# Allegro board GPS_INTERFACE_BOARDv36_PH.brd (continued)
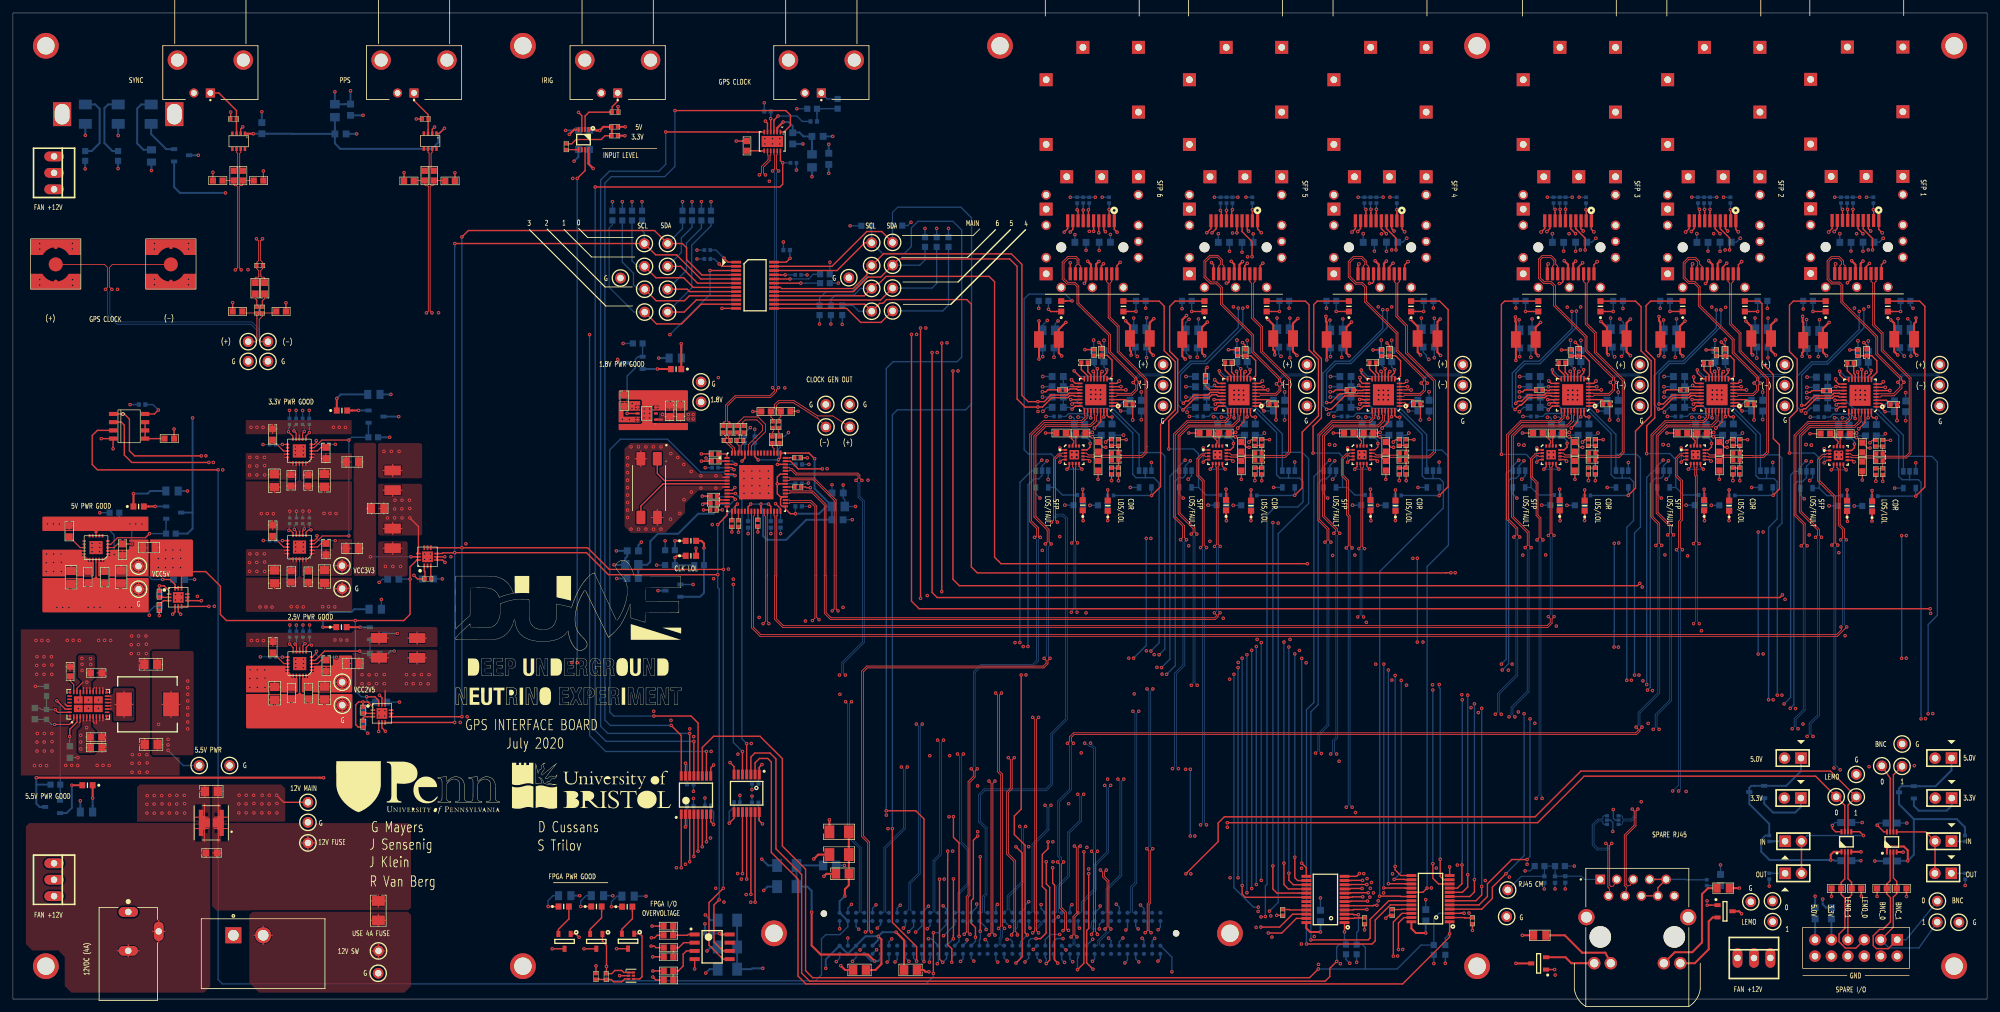
[diagram p0: board, top side]
## Routing (per net, layer and track width the routed paths; a pad name or vN(x,y) marks a point on that pad's centre or on a via; arc(x,y) is an arc through that point) (continued)
SFP_RD_P_SFP INTERFACE_SFP3: length 42
  TOP w0.127: J18.13 238.51,113.27 238.2,113.58 238.2,114.21 237.5,114.91 236.1,114.91 235.56,114.37 235.56,111.35 236.34,110.58 237.44,110.58 237.87,110.15 237.87,107.15 242.75,102.27 242.75,100.18 246.97,95.96 246.97,95.65 v1(246.62,95.3) 246.96,94.96 246.96,94.85 247,94.81 247,94.21 246.4,93.61 244.02,93.61 243.98,93.65 U31.5
  BOTTOM w0.127: v1(246.62,95.3) 246.97,95.65 246.97,96.03 247.53,96.6 251.08,96.6 251.21,96.72 TP52.1
SFP_RD_P_SFP INTERFACE_SFP4: length 43.6
  TOP w0.127: U35.5 214.77,93.65 214.81,93.61 217.27,93.61 217.79,94.13 217.79,94.77 217.75,94.8 217.75,94.87 v1(217.42,95.2) 217.76,95.53 217.76,95.93 213.56,100.13 213.56,102.85 208.71,107.7 208.71,109.98 208.2,110.49 207.25,110.49 206.17,111.57 206.17,113.98 206.94,114.76 208.29,114.76 209.01,114.04 209.01,113.53 209.27,113.27 J19.13
  BOTTOM w0.127: TP53.1 223.85,96.72 223.72,96.6 218.4,96.6 217.76,95.96 217.76,95.53 v1(217.42,95.2)
SFP_RD_P_SFP INTERFACE_SFP5: length 42.3
  TOP w0.127: J20.13 186.97,113.27 186.71,113.53 186.71,114.27 186.04,114.94 184.77,114.94 183.9,114.06 183.9,111.52 184.87,110.54 185.79,110.54 186.44,109.89 186.44,107.35 191.29,102.5 191.29,99.95 195.46,95.78 195.46,95.44 v1(195.09,95.07) 195.49,94.67 195.49,94.13 194.96,93.61 192.51,93.61 192.47,93.65 U39.5
  BOTTOM w0.127: TP54.1 199.77,98.04 199.77,96.72 199.64,96.6 196.1,96.6 195.46,95.96 195.46,95.44 v1(195.09,95.07)
SFP_RD_P_SFP INTERFACE_SFP6: length 41.5
  TOP w0.127: J21.13 164.85,113.27 164.59,113.53 164.59,114.32 164.15,114.76 162.88,114.76 162,113.88 162,111.24 162.75,110.49 163.87,110.49 164.29,110.07 164.29,107.45 169.19,102.55 169.19,99.92 173.2,95.91 173.2,95.52 v1(172.96,95.28) 173.37,94.87 173.37,94.29 172.69,93.61 170.5,93.61 170.46,93.65 U43.5
  BOTTOM w0.127: v1(172.96,95.28) 173.34,95.65 173.34,96.08 173.85,96.6 177.44,96.6 177.57,96.72 TP55.1
SFP_TD_N_SFP INTERFACE_SFP1: length 37.4
  TOP w0.127: J13.19 287.68,110.94 287.42,110.68 287.42,104.26 288.75,102.94 288.75,100.32 293.06,96.01 293.06,84.32 292.36,83.62 289.12,83.62 C141.2 288.69,81.97 R122.2 R126.1
SFP_TD_N_SFP INTERFACE_SFP2: length 37.3
  TOP w0.127: C164.2 267.01,83.68 270.3,83.68 271.07,84.46 271.07,86.3 271.08,86.3 271.08,86.36 271.07,86.36 271.07,95.89 266.8,100.17 266.8,102.92 265.35,104.37 265.35,110.63 265.61,110.89 J14.19
  TOP w0.165: R147.1 R143.2 266.61,82.07 C164.2
SFP_TD_N_SFP INTERFACE_SFP3: length 37.3
  TOP w0.127: C187.2 244.71,83.68 248,83.68 248.76,84.44 248.76,95.7 244.45,100.01 244.45,103 243.05,104.4 243.05,110.63 243.31,110.89 J18.19
  TOP w0.165: R168.1 R164.2 244.31,82.07 C187.2
SFP_TD_N_SFP INTERFACE_SFP4: length 37.4
  TOP w0.127: C210.2 215.46,83.64 218.75,83.64 219.63,84.53 219.63,95.59 215.29,99.94 215.29,104.11 213.81,105.59 213.81,110.63 214.07,110.89 J19.19
  TOP w0.165: R189.1 R185.2 215.1,82.07 C210.2
SFP_TD_N_SFP INTERFACE_SFP5: length 37.3
  TOP w0.127: J20.19 191.77,110.89 191.51,110.63 191.51,105.34 192.94,103.91 192.94,100.12 197.24,95.81 197.24,84.48 196.48,83.72 193.23,83.72 C233.2
  TOP w0.165: C233.2 192.8,82.07 R206.2 R210.1
SFP_TD_N_SFP INTERFACE_SFP6: length 37.3
  TOP w0.127: J21.19 169.65,110.89 169.39,110.63 169.39,105.4 170.79,104 170.79,100.12 175.08,95.83 175.08,85.4 175.08,85.39 175.08,85.38 175.08,85.38 175.08,84.45 174.35,83.72 171.11,83.72 C256.2
  TOP w0.165: C256.2 170.68,82.07 R227.2 R231.1
SFP_TD_P_SFP INTERFACE_SFP1: length 36.9
  TOP w0.127: R123.1 R121.2 288.69,85.44 C140.2 289.07,83.9 292.24,83.9 292.78,84.44 292.78,95.89 288.47,100.2 288.47,102.82 287.14,104.14 287.14,110.68 286.88,110.94 J13.18
SFP_TD_P_SFP INTERFACE_SFP2: length 36.8
  TOP w0.127: C163.2 267,84 268.55,84 268.59,83.96 270.18,83.96 270.8,84.57 270.8,95.78 266.52,100.05 266.52,102.8 265.07,104.26 265.07,110.63 264.81,110.89 J14.18
  TOP w0.165: C163.2 266.61,85.55 R142.2 R144.1
SFP_TD_P_SFP INTERFACE_SFP3: length 36.8
  TOP w0.127: C186.2 244.69,84 244.7,84 244.74,83.96 247.88,83.96 248.48,84.56 248.48,95.59 244.17,99.9 244.17,102.88 242.77,104.28 242.77,110.63 242.51,110.89 J18.18
  TOP w0.165: C186.2 244.31,85.55 R163.2 R165.1
SFP_TD_P_SFP INTERFACE_SFP4: length 36.9
  TOP w0.127: C209.2 215.56,83.92 218.63,83.92 219.35,84.64 219.35,95.48 215.01,99.82 215.01,104 213.53,105.48 213.53,110.63 213.27,110.89 J19.18
  TOP w0.165: R186.1 R184.2 215.1,85.55 C209.2
SFP_TD_P_SFP INTERFACE_SFP5: length 36.8
  TOP w0.127: J20.18 190.97,110.89 191.23,110.63 191.23,105.22 192.66,103.8 192.66,100 196.96,95.69 196.96,84.59 196.37,84 193.18,84 C232.2
  TOP w0.165: R207.1 R205.2 192.8,85.55 C232.2
SFP_TD_P_SFP INTERFACE_SFP6: length 36.7
  TOP w0.127: J21.18 168.85,110.89 169.11,110.63 169.11,105.29 170.51,103.89 170.51,100 174.8,95.71 174.8,84.57 174.23,84 171.06,84 C255.2
  TOP w0.165: R228.1 R226.2 170.68,85.55 C255.2
SPARE_BNC_CONN_0: length 29.8
  TOP w0.203: U51.2 289.84,18.3 289.32,17.78 R109.1 289.32,16.24 289.89,15.67 289.89,11.94 288.72,10.77 288.21,10.77 287.22,9.78 287.22,8.28 287.71,7.8 289.56,7.8 P1.1
  BOTTOM w0.203: TP79.1 292.3,9.17 P1.1
SPARE_BNC_CONN_1: length 26.1
  TOP w0.165: 290.34,11.12 290.32,11.14 ; 290.87,17.78 290.86,17.79
  TOP w0.203: 290.86,17.79 290.86,18.19 290.34,18.7 U51.3 ; P1.3 290.34,11.12 ; 290.87,17.78 R108.1 290.87,16.29 290.32,15.75 290.32,11.14
  BOTTOM w0.203: P1.3 289.66,7.9 294.28,7.9 TP78.1
SPARE_LEMO_CONN_0: length 38.3
  TOP w0.203: U50.2 282.83,18.57 282.28,18.02 R105.1 282.28,16.17 282.85,15.6 282.85,10.95 281.94,10.03 281.94,8.86 282.93,7.87 284.56,7.87 P1.5
  SIG w0.203: TP77.1 272.78,15.16 274.14,13.8 284.7,13.8 285.85,12.65 P1.5
SPARE_LEMO_CONN_1: length 26.8
  TOP w0.203: U50.3 283.33,18.6 283.88,18.05 R104.1 283.88,16.09 283.31,15.52 P1.7
  SIG w0.203: TP76.1 280.52,11.96 P1.7
SPARE_RJ45_CM: length 18.6
  BOTTOM w0.165: J17.P1 242.66,18.49 242.16,18.99 C128.1 239.12,18.99 239.1,18.96 C127.1 238.1,19.49 238.11,19.5 R117.1 R116.1 236.46,19.51 236.45,19.49 C129.1 232.88,18.96 TP27.1
SQUELCH_SFP INTERFACE_SFP1: length 6.4
  TOP w0.165: v1(284.43,89.71) 284.43,90.22 284.44,90.23 U23.27
  BOTTOM w0.203: R135.1 280.57,89.94 281.03,90.4 283.74,90.4 v1(284.43,89.71)
SQUELCH_SFP INTERFACE_SFP2: length 6.4
  TOP w0.165: v1(262.36,89.81) 262.36,90.32 262.37,90.34 U27.27
  BOTTOM w0.203: R156.1 258.5,90.04 258.88,90.42 258.97,90.42 259.03,90.48 261.69,90.48 v1(262.36,89.81)
SQUELCH_SFP INTERFACE_SFP3: length 6.4
  TOP w0.165: U31.27 240.07,90.34 240.06,90.32 v1(240.06,89.81)
  BOTTOM w0.203: R177.1 236.19,90.04 236.65,90.5 239.37,90.5 v1(240.06,89.81)
SQUELCH_SFP INTERFACE_SFP4: length 6.4
  TOP w0.203: U35.27 210.86,90.34 210.85,90.32 v1(210.85,89.81)
  BOTTOM w0.203: R198.1 206.98,90.04 207.47,90.53 210.13,90.53 v1(210.85,89.81)
SQUELCH_SFP INTERFACE_SFP5: length 6.4
  TOP w0.165: U39.27 188.56,90.34 188.54,90.32 v1(188.54,89.81)
  BOTTOM w0.203: R219.1 184.65,90.04 185.14,90.53 187.82,90.53 v1(188.54,89.81)
SQUELCH_SFP INTERFACE_SFP6: length 6.4
  TOP w0.203: U43.27 166.43,90.34 166.42,90.32 v1(166.42,89.81)
  BOTTOM w0.203: R240.1 162.56,90.04 162.99,90.47 164.23,90.47 164.24,90.48 164.69,90.48 164.7,90.47 165.76,90.47 v1(166.42,89.81)
SS_2V5: length 3
  TOP w0.17: C85.1 40.15,53.52 41.82,51.84 U12.13
SS_3V3_1: length 3
  TOP w0.17: C65.1 40.12,71.52 41.8,69.85 U9.13
SS_3V3_2: length 3
  TOP w0.17: U11.13 41.77,84.71 40.1,86.38 C76.1
SS_5V: length 3
  TOP w0.17: U7.13 10.38,69.77 8.7,71.45 C57.1
SYNC_OUT_N: length 3.7
  TOP w0.127: U3.6 34.52,130.87 34.7,130.7 34.7,128.61 R16.1
SYNC_OUT_P: length 3.7
  TOP w0.127: R15.1 35,128.51 35,130.7 35.17,130.87 U3.7
TEMP_ADDR: length 5.5
  TOP w0.203: R253.1 U46.5 U46.6 U46.7
THRADJ_SFP INTERFACE_SFP1: length 6.5
  TOP w0.203: R134.2 285.63,99.42 285.64,99.42 C153.2 287.01,99.42 287.78,98.65 287.78,96.86 286.94,96.02 U23.9
THRADJ_SFP INTERFACE_SFP2: length 6.6
  TOP w0.203: U27.9 265.37,95.85 265.73,96.22 265.73,98.78 265.09,99.42 C176.2 263.55,99.42 263.55,99.42 R155.2
THRADJ_SFP INTERFACE_SFP3: length 6.5
  TOP w0.203: R176.2 241.18,99.42 241.19,99.42 C199.2 242.54,99.42 243.41,98.56 243.41,96.33 242.92,95.85 U31.9
THRADJ_SFP INTERFACE_SFP4: length 6.7
  TOP w0.203: R197.2 212,99.42 212,99.42 C222.2 213.48,99.42 214.25,98.65 214.25,96.29 213.8,95.85 U35.9
THRADJ_SFP INTERFACE_SFP5: length 6.5
  TOP w0.203: R218.2 189.65,99.45 189.67,99.42 C245.2 191.13,99.42 191.87,98.68 191.87,96.31 191.41,95.85 U39.9
THRADJ_SFP INTERFACE_SFP6: length 6.5
  TOP w0.203: R239.2 167.52,99.47 167.53,99.48 C268.2 168.98,99.48 169.7,98.76 169.7,96.26 169.29,95.85 U43.9
VP2V5: length 25.5
  TOP w0.165: 48.36,49.97 C83.1 ; C83.1 49.08,50.67 ; C83.1 47.64,50.67 ; C83.1 48.36,51.37 ; C79.1 46.34,48.13 ; C79.1 45.62,48.84 ; C79.1 44.9,48.13 ; 46.56,51.31 46.52,51.34 U12.2 ; 50.77,51.87 R58.1 ; R58.1 51.5,50.99 ; R58.1 51.5,52.75 ; R58.1 52.23,51.87 ; 46.53,50.84 U12.1 46.09,50.51 ; TP19.1 50.83,49.97 ; TP19.1 49.82,48.97 ; TP19.1 50.83,47.97 ; TP19.1 51.83,48.97 ; 47.2,48.29 C80.1 ; C80.1 49.06,48.29 ; C80.1 48.13,49.12 ; 45.6,50.02 U12.20 45.27,49.59 ; U12.19 44.77,49.59 44.78,49.58
  TOP w0.203: v1(56.59,46.94) 56.97,46.56 U13.11
  SIG w0.203: TP19.1 52.04,47.75 55.27,47.75 56.08,46.94 v1(56.59,46.94)
VP3V3: length 14.9
  TOP w0.165: R53.1 55.36,76.7 ; R53.1 54.63,75.82 ; R53.1 55.36,74.94 ; R52.2 54.05,69.65 ; R52.2 53.32,68.77 ; R52.2 53.32,70.53 ; R54.1 54.08,83.01 ; R54.1 53.35,83.89 ; R54.1 53.35,82.13
  TOP w0.203: U10.11 v1(61.44,68.35)
  BOTTOM w0.203: v1(61.44,68.35) v1(55.19,68.35)
VP5V: length 31.9
  TOP w0.165: 13.34,67.51 13.33,67.52 U7.19 ; 16.2,68.6 C56.1 ; C56.1 17.63,68.6 ; C56.1 16.92,67.9 ; C56.1 16.92,69.31 ; C54.1 14.17,66.77 ; C54.1 13.45,66.07 ; C54.1 14.89,66.07 ; 14.16,67.95 U7.20 13.83,67.52 ; R45.1 20.06,70.65 ; R45.1 20.78,69.77 ; R45.1 19.33,69.77 ; R45.1 20.06,68.9 ; TP15.1 19.38,67.91 ; TP15.1 18.38,66.9 ; TP15.1 20.38,66.9 ; TP15.1 19.38,65.9 ; 15.76,66.23 C55.1 ; C55.1 17.62,66.23 ; C55.1 16.69,67.06 ; 15.08,68.77 U7.1 14.65,68.44 ; 15.11,69.24 15.08,69.27 U7.2
  TOP w0.203: U8.11 U8.12 25.03,64.06 24.24,64.85 v1(23.11,64.85)
  BOTTOM w0.203: v1(15.62,68.71) 15.62,71.73 14.95,72.4 R46.1 ; C58.2 v1(23.11,64.85) 21.44,64.85 TP15.1
VP5V5: length 70.2
  TOP w0.165: C49.1 22.29,52.67 ; C49.1 22.29,50.81 ; C49.1 23.11,51.74 ; 22.34,38.42 C50.1 ; C50.1 23.16,39.34 ; C50.1 22.34,40.27 ; C52.1 9.89,66.18 ; C52.1 8.97,67 ; C52.1 8.04,66.18 ; 39.46,66.25 C61.1 ; C61.1 40.39,67.08 ; C61.1 41.31,66.25 ; C77.1 40.41,49.07 ; C77.1 41.34,48.24 ; C77.1 39.48,48.24 ; U12.14 41.99,51.34 41.99,51.33 ; L6.2 25.79,45.54 ; L6.2 24.4,47.57 ; L6.2 23.01,45.54 ; L6.2 24.4,43.51 ; 11.83,67.52 U7.16 11.5,67.95 ; 10.54,69.27 10.55,69.27 U7.14 ; 42.89,82.89 U11.16 43.22,82.46 ; C60.1 42.98,66.87 ; C60.1 42.26,66.17 ; C60.1 43.7,66.17 ; U12.17 43.77,49.59 43.76,49.58 ; 39.43,81.11 C70.1 ; C70.1 40.36,81.94 ; C70.1 41.29,81.11 ; 42.43,68.52 U9.15 41.99,68.85 ; 41.94,84.2 41.94,84.21 U11.14 ; U7.17 12.33,67.52 12.32,67.51 ; C78.1 43.72,48.16 ; C78.1 42.28,48.16 ; C78.1 43,48.86 ; 42.92,68.03 U9.16 43.25,67.6 ; 43.74,67.59 43.75,67.6 U9.17 ; C53.1 12.28,66.09 ; C53.1 11.56,66.8 ; C53.1 10.84,66.09 ; C71.1 43.67,81.03 ; C71.1 42.23,81.03 ; C71.1 42.95,81.73 ; 42.94,50.02 U12.16 43.27,49.59 ; U9.14 41.97,69.35 41.96,69.34 ; 43.71,82.45 43.72,82.46 U11.17 ; 11.01,68.44 U7.15 10.57,68.77 ; 41.97,83.71 U11.15 42.4,83.38 ; 42.02,50.84 U12.15 42.45,50.51
  TOP w0.203: v1(6.45,42.44) 8.72,42.44 9.38,43.11 U6.1
  SIG w0.203: v1(22.48,42.44) v1(6.45,42.44)
  BOTTOM w0.203: C51.1 4.15,43.23 4.16,43.24 R41.1 5.98,42.44 v1(6.45,42.44) ; TP11.1 26.29,36.09 v1(23.95,38.43)
  vias: v1(5.13,67.44) v1(5.13,66.07) v1(5.18,68.78) v1(6.25,67.46) v1(6.27,68.78) v1(6.27,66.07) v1(7.42,68.78) v1(7.47,67.51) v1(7.47,66.07) v1(23.95,40.13) v1(23.95,39.29) v1(26.97,49.15) v1(26.97,48.11) v1(26.97,47.09) v1(26.97,46.08) v1(26.97,45.01) v1(26.97,43.92) v1(26.97,42.82) v1(26.97,41.76) v1(36.53,82.37) v1(36.53,81) v1(36.53,67.46) v1(36.53,66.09) v1(36.58,83.72) v1(36.58,68.81) v1(36.63,50.88) v1(36.58,49.53) v1(36.58,48.16) v1(37.64,82.4) v1(37.64,67.49) v1(37.67,83.72) v1(37.67,81) v1(37.67,68.81) v1(37.67,66.09) v1(37.72,50.88) v1(37.69,49.56) v1(37.72,48.16) v1(38.81,83.72) v1(38.81,68.81) v1(38.86,82.45) v1(38.86,81) v1(38.86,67.54) v1(38.86,66.09) v1(38.86,50.88) v1(38.91,49.61) v1(38.91,48.16)
VP12V: length 24.4
  TOP w0.165: 10.79,48.95 9.88,48.03 U6.25 ; C40.1 32.46,32.08 ; C40.1 31.63,33.01 ; C40.1 31.63,31.15 ; U6.4 10.88,43.01 10.87,43 ; 11.28,38.86 C42.1 ; C42.1 11.99,39.58 ; C42.1 11.99,38.14 ; 11.89,43.03 11.88,43.03 U6.6 ; C44.1 11.96,41.21 ; C44.1 11.96,39.77 ; C44.1 11.26,40.49 ; U6.22 11.38,48.13 11.38,48.13 ; 10.9,48.16 10.88,48.14 U6.23 ; FL1.2 33.16,28.1 ; FL1.2 31.71,30.16 ; FL1.2 31.1,28.1 ; C43.1 11.99,51.11 ; C43.1 11.99,49.68 ; C43.1 11.28,50.39 ; U6.5 11.38,43.01 11.38,43 ; 11.89,48.13 11.88,48.13 U6.21
  TOP w0.203: TP9.1 41.81,30.4 v1(40.72,31.5)
  vias: v1(10.46,40.77) v1(10.46,39.73) v1(10.46,38.66) v1(10.64,52.65) v1(10.67,51.74) v1(10.67,50.77) v1(11.4,48.97) v1(11.38,41.94) v1(11.99,52.6) v1(12.01,51.71) v1(34.92,31.5) v1(34.87,30.15) v1(34.87,28.78) v1(36.02,31.5) v1(35.99,30.18) v1(36.02,28.78) v1(37.16,31.5) v1(37.21,30.23) v1(37.21,28.78) v1(38.43,30.15) v1(38.43,28.78) v1(38.48,31.5) v1(39.55,30.18) v1(39.57,31.5) v1(39.57,28.78) v1(40.77,30.23) v1(40.77,28.78)
VREF_SFP INTERFACE_SFP1: length 2.6
  TOP w0.203: C154.1 289.9,91.9 289.25,92.54 U23.3
VREF_SFP INTERFACE_SFP2: length 2.9
  TOP w0.203: U27.3 267.71,92.65 267.83,92.53 C177.1
VREF_SFP INTERFACE_SFP3: length 2.9
  TOP w0.203: C200.1 245.53,92.53 245.41,92.65 U31.3
VREF_SFP INTERFACE_SFP4: length 2.9
  TOP w0.165: C223.1 216.32,92.53 216.2,92.65 U35.3
VREF_SFP INTERFACE_SFP5: length 2.9
  TOP w0.203: C246.1 194.01,92.53 193.89,92.65 U39.3
VREF_SFP INTERFACE_SFP6: length 2.9
  TOP w0.203: U43.3 171.77,92.65 171.89,92.53 C269.1
N00534: length 5.1
  BOTTOM w0.203: C1.1 124.15,136.89 124.14,136.89 R4.1 124.85,137.59 124.86,137.6 R2.2
N00638: length 3.2
  TOP w0.203: U1.4 v1(117,136.06)
  BOTTOM w0.203: C3.1 117.01,136.61 117,136.6 v1(117,136.06)
N01590: length 2.7
  TOP w0.203: U1.7 115.64,131.09 115.63,131.1 R9.1
N02604: length 14.4
  TOP w0.203: R10.2 86.28,132.17 86.94,132.84 90.83,132.84 91.41,133.43 R266.1
  TOP w0.305: R266.1 R265.2 91.16,134.8 v1(90.6,134.24) 90.06,134.24 89.93,134.37 U47.1
  BOTTOM w0.305: v1(90.6,134.24) C5.1
N02878: length 1.9
  TOP w0.203: U47.5 86.96,131.27 86.95,131.27 R10.1
N89867: length 1.4
  TOP w0.165: U48.25 115.01,74.77 115.01,74.77 R21.2
N89871: length 3.8
  TOP w0.203: U48.4 111.02,82.13 111.35,81.81 v1(111.35,81.81)
  BOTTOM w0.203: v1(111.35,81.81) 110.85,81.81 110.55,82.12 R20.2
N89889: length 4.3
  TOP w0.203: U48.3 110.89,82.63 110.89,82.63 v1(111.61,82.63)
  BOTTOM w0.203: R22.2 111.07,83.16 v1(111.61,82.63)
N89893: length 1.4
  TOP w0.203: R19.2 119.92,83.67 119.89,83.63 U48.48
N90109: length 1.5
  TOP w0.165: U48.19 112.01,74.47 112.01,74.47 R26.2
N90113: length 1.5
  TOP w0.165: R25.2 111,74.47 111.01,74.48 U48.17
N90529: length 6.5
  TOP w0.203: v1(111.46,79.04) 111.04,78.63 U48.11 ; v1(109.52,75.59) R23.2
  SIG w0.203: v1(109.52,75.59) 109.52,77.11 v1(111.46,79.04)
N91101: length 9.4
  TOP w0.127: U48.59 113.54,84.42 113.54,85.68 115.72,87.86 115.72,88.65 114.87,89.5 113.04,89.5 112.68,89.13 112.68,88.9 112.85,88.72 C36.1
N91105: length 11
  TOP w0.127: C37.1 111.79,88.9 112.85,89.97 115.06,89.97 116.19,88.84 116.19,87.67 114.01,85.49 U48.58
N107878: length 1.5
  TOP w0.165: U48.39 119.87,79.13 119.88,79.15 R24.2
N127138: length 8.1
  TOP w0.203: U1.3 117.5,135.82 117.52,135.84 117.52,135.86 v1(118.14,136.47)
  BOTTOM w0.203: v1(118.14,136.47) 121.03,136.47 121.87,135.64 C1.2
N140138: length 9.8
  TOP w0.165: L6.1 17.16,47.57 ; L6.1 18.55,45.54 ; L6.1 15.77,45.54 ; L6.1 17.16,43.51 ; 15.11,45.82 15.11,45.82 U6.14 ; U6.15 15.1,46.32 15.11,46.3 ; 15.14,44.83 15.12,44.82 U6.12 ; U6.13 15.11,45.32 15.11,45.31 ; U6.16 15.11,46.82 15.11,46.81
N146225: length 17.3
  TOP w0.165: 50.8,65.98 TP17.1 ; TP17.1 49.8,66.98 ; TP17.1 50.8,67.98 ; TP17.1 51.8,66.98 ; 46.07,68.52 U9.1 46.5,68.85 ; U9.19 44.75,67.6 44.75,67.59 ; R52.1 51.42,70.53 ; R52.1 51.42,68.77 ; R52.1 52.15,69.65 ; R52.1 50.7,69.65 ; U9.2 46.5,69.35 46.53,69.32 ; C62.1 46.31,66.14 ; C62.1 45.59,66.85 ; C62.1 44.87,66.14 ; C64.1 48.34,69.38 ; C64.1 49.05,68.68 ; C64.1 47.62,68.68 ; C64.1 48.34,67.98 ; 45.25,67.6 U9.20 45.58,68.03 ; 47.18,66.3 C63.1 ; C63.1 48.11,67.13 ; C63.1 49.04,66.3
N146320: length 2.4
  TOP w0.17: U9.6 45.25,72.14 45.6,72.49 46,72.49 v1(46.02,72.52)
  BOTTOM w0.17: R63.1 45.75,72.8 v1(46.02,72.52)
N146332: length 1.9
  TOP w0.17: U9.11 v1(41.59,70.85)
  BOTTOM w0.17: R65.1 41.02,70.87 41.03,70.85 v1(41.59,70.85)
N146446: length 2.3
  TOP w0.17: v1(42.6,72.44) 42.86,72.44 43.25,72.06 U9.10
  BOTTOM w0.17: v1(42.6,72.44) 42.6,72.67 42.75,72.82 R64.1
N169083: length 10.5
  BOTTOM w0.305: R68.1 12.15,131.05 13.39,132.28 13.39,137.57 12.7,138.25 D12.1
N169234: length 10.4
  BOTTOM w0.305: R69.1 15.35,131.05 14.12,132.28 14.12,137.69 14.68,138.25 D10.1
N179430: length 1.7
  TOP w0.127: U48.51 117.51,85.06 117.25,85.32 C34.1
N179442: length 1.7
  TOP w0.127: C35.1 118.01,85.58 U48.50
N180853: length 1.5
  TOP w0.127: C34.2 117.25,87.6 117.45,87.81 117.45,88.2 R27.1
N180901: length 1.5
  TOP w0.127: R28.1 118.18,88.27 118.18,87.65 118.36,87.46 C35.2
N183488: length 98.4
  TOP w0.127: U1.8 116.5,130.51 116.59,130.41 116.59,129.7 115.57,128.68 115.57,127.69 v1(115.25,127.37) ; v1(37.6,117.49) 37.92,117.17 37.92,114.13 37.65,113.85 R5.1 37.65,112.87 37.95,112.57 37.95,111.89 37.97,111.87 37.97,111.69 37.84,111.56 37.52,111.56 37.39,111.44 C2.1
  SIG w0.127: v1(115.25,127.37) 115.52,127.1 115.52,127.1 115.52,120.12 114,118.59 38.55,118.59 38,118.05 38,117.9 v1(37.6,117.49)
N183510: length 2.2
  TOP w0.165: R3.1 37.64,108 37.39,108.26 C2.2
N183546: length 2.2
  TOP w0.165: R6.1 38.51,107.9 38.86,108.26 C4.2
N185241: length 13.3
  TOP w0.165: 45.55,82.89 U11.20 45.22,82.46 ; 48.31,82.84 C75.1 ; C75.1 48.31,84.24 ; C75.1 47.59,83.54 ; C75.1 49.03,83.54 ; C73.1 48.08,81.99 ; C73.1 47.15,81.16 ; C73.1 49.01,81.16 ; C72.1 45.57,81.71 ; C72.1 44.85,81 ; C72.1 46.29,81 ; R54.2 51.45,83.89 ; R54.2 52.18,83.01 ; R54.2 51.45,82.13 ; R54.2 50.72,83.01 ; 46.51,84.18 46.47,84.21 U11.2 ; 46.47,83.71 U11.1 46.04,83.38 ; 44.73,82.45 44.72,82.46 U11.19
N199881: length 4.9
  TOP w0.203: Q8.2 84.22,10.77 85.84,12.39 D9.2
N199921: length 4.5
  TOP w0.203: D9.1 v1(82.63,14.3)
  BOTTOM w0.203: v1(82.63,14.3) 82.63,15.21 83.39,15.98 R66.1
N224328: length 169.5
  TOP w0.203: U53.4 226.77,13.89 228.42,15.54 228.42,17.28 v1(230.53,19.38) ; U23.16 282.77,95.74 282.04,96.47 v1(282.04,97.03)
  SIG w0.203: v1(295.71,44.09) v1(233.32,44.09)
  BOTTOM w0.203: v1(233.32,44.09) 233.32,22.17 v1(230.53,19.38) ; v1(295.71,44.09) 295.71,57.89 297.13,59.31 297.13,83.01 296.27,83.87 291.87,83.87 ; 291.87,83.87 291.88,83.86 U25.1 ; 291.87,83.87 291.87,87.15 287.71,91.31 287.71,95.33 286.92,96.11 282.96,96.11 v1(282.04,97.03)
N224332: length 159.8
  TOP w0.203: U53.5 226.35,14.54 227.66,15.85 227.66,17.81 231.42,21.56 v1(233.78,21.56) ; U23.22 v1(281.33,92.54)
  SIG w0.203: v1(294.61,43.31) v1(234.24,43.31)
  BOTTOM w0.203: 292.84,80.27 292.84,80.26 294.21,80.26 294.61,79.87 294.61,44.01 294.61,44.01 v1(294.61,43.31) ; 292.84,80.27 291.69,80.27 291.16,80.8 291.16,87.12 287.15,91.14 284.3,91.14 282.89,92.54 v1(281.33,92.54) ; 292.84,80.27 U25.2 ; v1(234.24,43.31) 234.24,22.02 v1(233.78,21.56)
N224336: length 173.1
  TOP w0.203: v1(225.65,18.47) 225.65,16.56 224.94,15.84 U53.7 ; v1(287.25,122) 287.28,121.96 J13.2
  SIG w0.203: v1(287.25,122) 286.54,122.71 279.86,122.71 278.97,121.82 278.97,119.05 275.39,115.47 275.39,115.45 275.11,115.17 275.11,87.45 v1(276.86,85.7) v1(276.86,83.18) ; v1(225.65,45.62) v1(273.46,45.62)
  BOTTOM w0.203: v1(276.86,83.18) 275.96,82.28 U24.1 275.06,81.56 274.47,80.98 274.47,46.63 v1(273.46,45.62) ; v1(225.65,45.62) v1(225.65,18.47) ; R124.2 v1(287.25,122)
N224340: length 168.6
  TOP w0.203: J13.8 282.48,122.04 v1(282.47,122.05) ; v1(226.77,17.4) 226.77,16.08 225.89,15.19 U53.6
  SIG w0.203: v1(274.42,44.93) v1(226.77,44.93) ; v1(277.67,83.08) v1(277.67,85.6) 277.67,86.07 275.59,88.16 275.59,114.66 279.63,118.69 279.63,121.54 280.14,122.05 v1(282.47,122.05)
  BOTTOM w0.203: v1(274.42,44.93) 274.98,45.49 274.98,79.43 275.54,79.98 276.32,79.98 276.91,80.57 U24.2 276.91,82.32 v1(277.67,83.08) ; R125.2 282.24,122.28 v1(282.47,122.05) ; v1(226.77,44.93) v1(226.77,17.4)
N224392: length 132
  TOP w0.203: U53.13 214.28,19.09 213.41,19.96 v1(213.41,20.5) ; U31.16 238.57,95.85 237.69,96.72 v1(237.69,97.23)
  SIG w0.203: v1(213.41,50.01) 245.1,50.01 245.13,50.04 249.85,50.04 249.87,50.06 v1(250.37,50.06)
  BOTTOM w0.203: v1(250.37,50.06) 250.37,72.03 251.28,72.95 251.28,83.59 250.7,84.18 247.5,84.18 ; v1(237.69,97.23) 238.71,96.22 242.54,96.22 243.33,95.43 243.33,91.41 247.5,87.25 247.5,84.18 ; 247.5,84.18 247.5,82.39 247.51,82.38 U33.1 ; v1(213.41,50.01) v1(213.41,20.5)
N224396: length 124.6
  TOP w0.203: U53.14 214.97,18.44 214.92,18.49 v1(213.26,18.49) ; U31.22 v1(236.96,92.65)
  SIG w0.203: v1(249.17,49.25) v1(214.35,49.25)
  BOTTOM w0.203: 248.46,80.52 249.63,80.52 250.22,79.93 250.22,73.94 249.17,72.9 v1(249.17,49.25) ; 248.46,80.52 U33.2 ; 248.46,80.52 247.29,80.52 246.76,81.05 246.76,87.38 242.85,91.29 239.04,91.29 237.68,92.65 v1(236.96,92.65) ; v1(213.26,18.49) 214.35,19.58 v1(214.35,49.25)
N224400: length 142.6
  TOP w0.203: J18.2 242.91,121.96 v1(242.87,122) ; U53.16 214.97,17.14 214.94,17.17 v1(211.66,17.17)
  SIG w0.203: v1(229.82,51.77) v1(211.66,51.77) ; v1(232.49,83.28) v1(232.49,85.7) 230.71,87.48 230.71,115.09 234.59,118.98 234.59,121.82 235.48,122.71 242.16,122.71 v1(242.87,122)
  BOTTOM w0.203: v1(232.49,83.28) 231.58,82.38 U32.1 231,81.66 230.56,81.22 230.56,52.5 v1(229.82,51.77) ; v1(211.66,51.77) v1(211.66,17.17) ; R166.2 v1(242.87,122)
N224404: length 135.1
  TOP w0.203: U53.15 214.97,17.79 214.93,17.83 v1(212.37,17.83) ; J18.8 238.11,121.54 238.1,121.55 v1(238.1,122.05)
  SIG w0.203: v1(238.1,122.05) 235.81,122.05 235.38,121.62 235.38,118.67 231.22,114.5 231.22,87.68 v1(233.3,85.6) v1(233.3,83.19) ; v1(229.95,50.85) v1(212.37,50.85)
  BOTTOM w0.203: v1(233.3,83.19) 232.54,82.42 U32.2 232.54,80.92 232.08,80.47 231.29,80.47 230.94,80.11 230.94,51.84 v1(229.95,50.85) ; R167.2 237.87,122.28 v1(238.1,122.05) ; v1(212.37,50.85) v1(212.37,17.83)
N224424: length 99.2
  TOP w0.203: v1(208.18,97.21) 208.18,96.71 209.04,95.85 U35.16 ; U53.17 217.69,16.49 v1(218.34,17.14)
  BOTTOM w0.203: v1(208.18,97.21) 209.17,96.22 213.33,96.22 214.12,95.43 214.12,91.39 218.29,87.22 218.29,84.84 ; 218.29,84.84 220.65,84.84 221.64,83.85 221.64,70.13 218.34,66.83 v1(218.34,17.14) ; 218.29,84.84 218.29,82.39 218.3,82.38 U37.1
N224428: length 97.4
  TOP w0.203: U35.22 208.44,92.65 208.42,92.66 v1(207.92,92.66) ; v1(211.02,15.9) 214.2,15.9 214.25,15.84 U53.18
  BOTTOM w0.203: 219.25,80.44 220.29,80.44 220.85,79.88 220.85,75.9 211.02,66.07 v1(211.02,15.9) ; 219.25,80.44 218.01,80.44 217.6,80.85 217.6,87.25 213.56,91.29 209.93,91.29 208.57,92.65 208.44,92.65 208.42,92.66 v1(207.92,92.66) ; 219.25,80.44 U37.2
N224432: length 149.6
  TOP w0.203: v1(213.66,122) 213.66,121.5 213.67,121.49 J19.2 ; v1(199.72,8.51) 209.85,8.51 210.34,8.99 210.34,12.22 212.66,14.54 U53.20
  SIG w0.203: v1(203.28,83.28) v1(203.28,85.7) 201.63,87.35 201.63,115.32 205.38,119.08 205.38,121.82 206.27,122.71 212.95,122.71 v1(213.66,122)
  BOTTOM w0.203: R187.2 v1(213.66,122) ; v1(203.28,83.28) 202.37,82.38 U36.1 201.79,81.66 200.86,80.73 200.86,45.85 199.72,44.7 v1(199.72,8.51)
N224436: length 142.2
  TOP w0.203: J19.8 208.87,121.5 208.89,121.52 v1(208.89,122.05) ; v1(200.4,9.14) 209.25,9.14 209.55,9.45 209.55,12.32 212.43,15.19 U53.19
  SIG w0.203: v1(204.09,83.19) v1(204.09,85.6) 202.18,87.5 202.18,114.94 206.17,118.92 206.17,121.59 206.63,122.05 v1(208.89,122.05)
  BOTTOM w0.203: R188.2 208.66,122.28 v1(208.89,122.05) ; v1(200.4,9.14) 200.4,44.39 201.52,45.52 201.52,79.71 202.21,80.39 202.79,80.39 203.33,80.92 U36.2 203.33,82.42 v1(204.09,83.19)
N224456: length 119.4
  TOP w0.165: v1(186.26,97.1) 186.26,96.63 187.04,95.85 U39.16
  TOP w0.203: U52.4 206.93,13.77 207.01,13.84 v1(209.04,13.84)
  SIG w0.203: v1(209.04,13.84) 208.79,13.59 v1(194.01,13.59)
  BOTTOM w0.203: 195.99,84.48 195.99,87.33 191.82,91.49 191.82,95.43 191.03,96.22 187.15,96.22 v1(186.26,97.1) ; 195.99,84.48 195.99,82.39 196,82.38 U41.1 ; 195.99,84.48 196.01,84.51 199.06,84.51 200.05,83.52 200.05,76.61 195.35,71.91 195.35,14.94 v1(194.01,13.59)
N224460: length 120.7
  TOP w0.203: U52.5 210.02,14.42 210.1,14.49 v1(210.59,14.49) ; U39.22 v1(185.45,92.65)
  SIG w0.203: v1(193.37,12.75) 194.13,11.99 208.09,11.99 v1(210.59,14.49)
  BOTTOM w0.203: 196.95,80.52 195.61,80.52 195.1,81.03 195.1,87.55 191.39,91.26 187.53,91.26 186.14,92.65 v1(185.45,92.65) ; 196.95,80.52 U41.2 ; 196.95,80.52 198.65,80.52 199.19,79.98 199.19,76.86 198.37,76.05 194.89,76.05 193.62,74.78 193.62,17.73 193.37,17.48 v1(193.37,12.75)